# Altium PCB OneBox.PcbDoc (part 10 of 13) (continued)
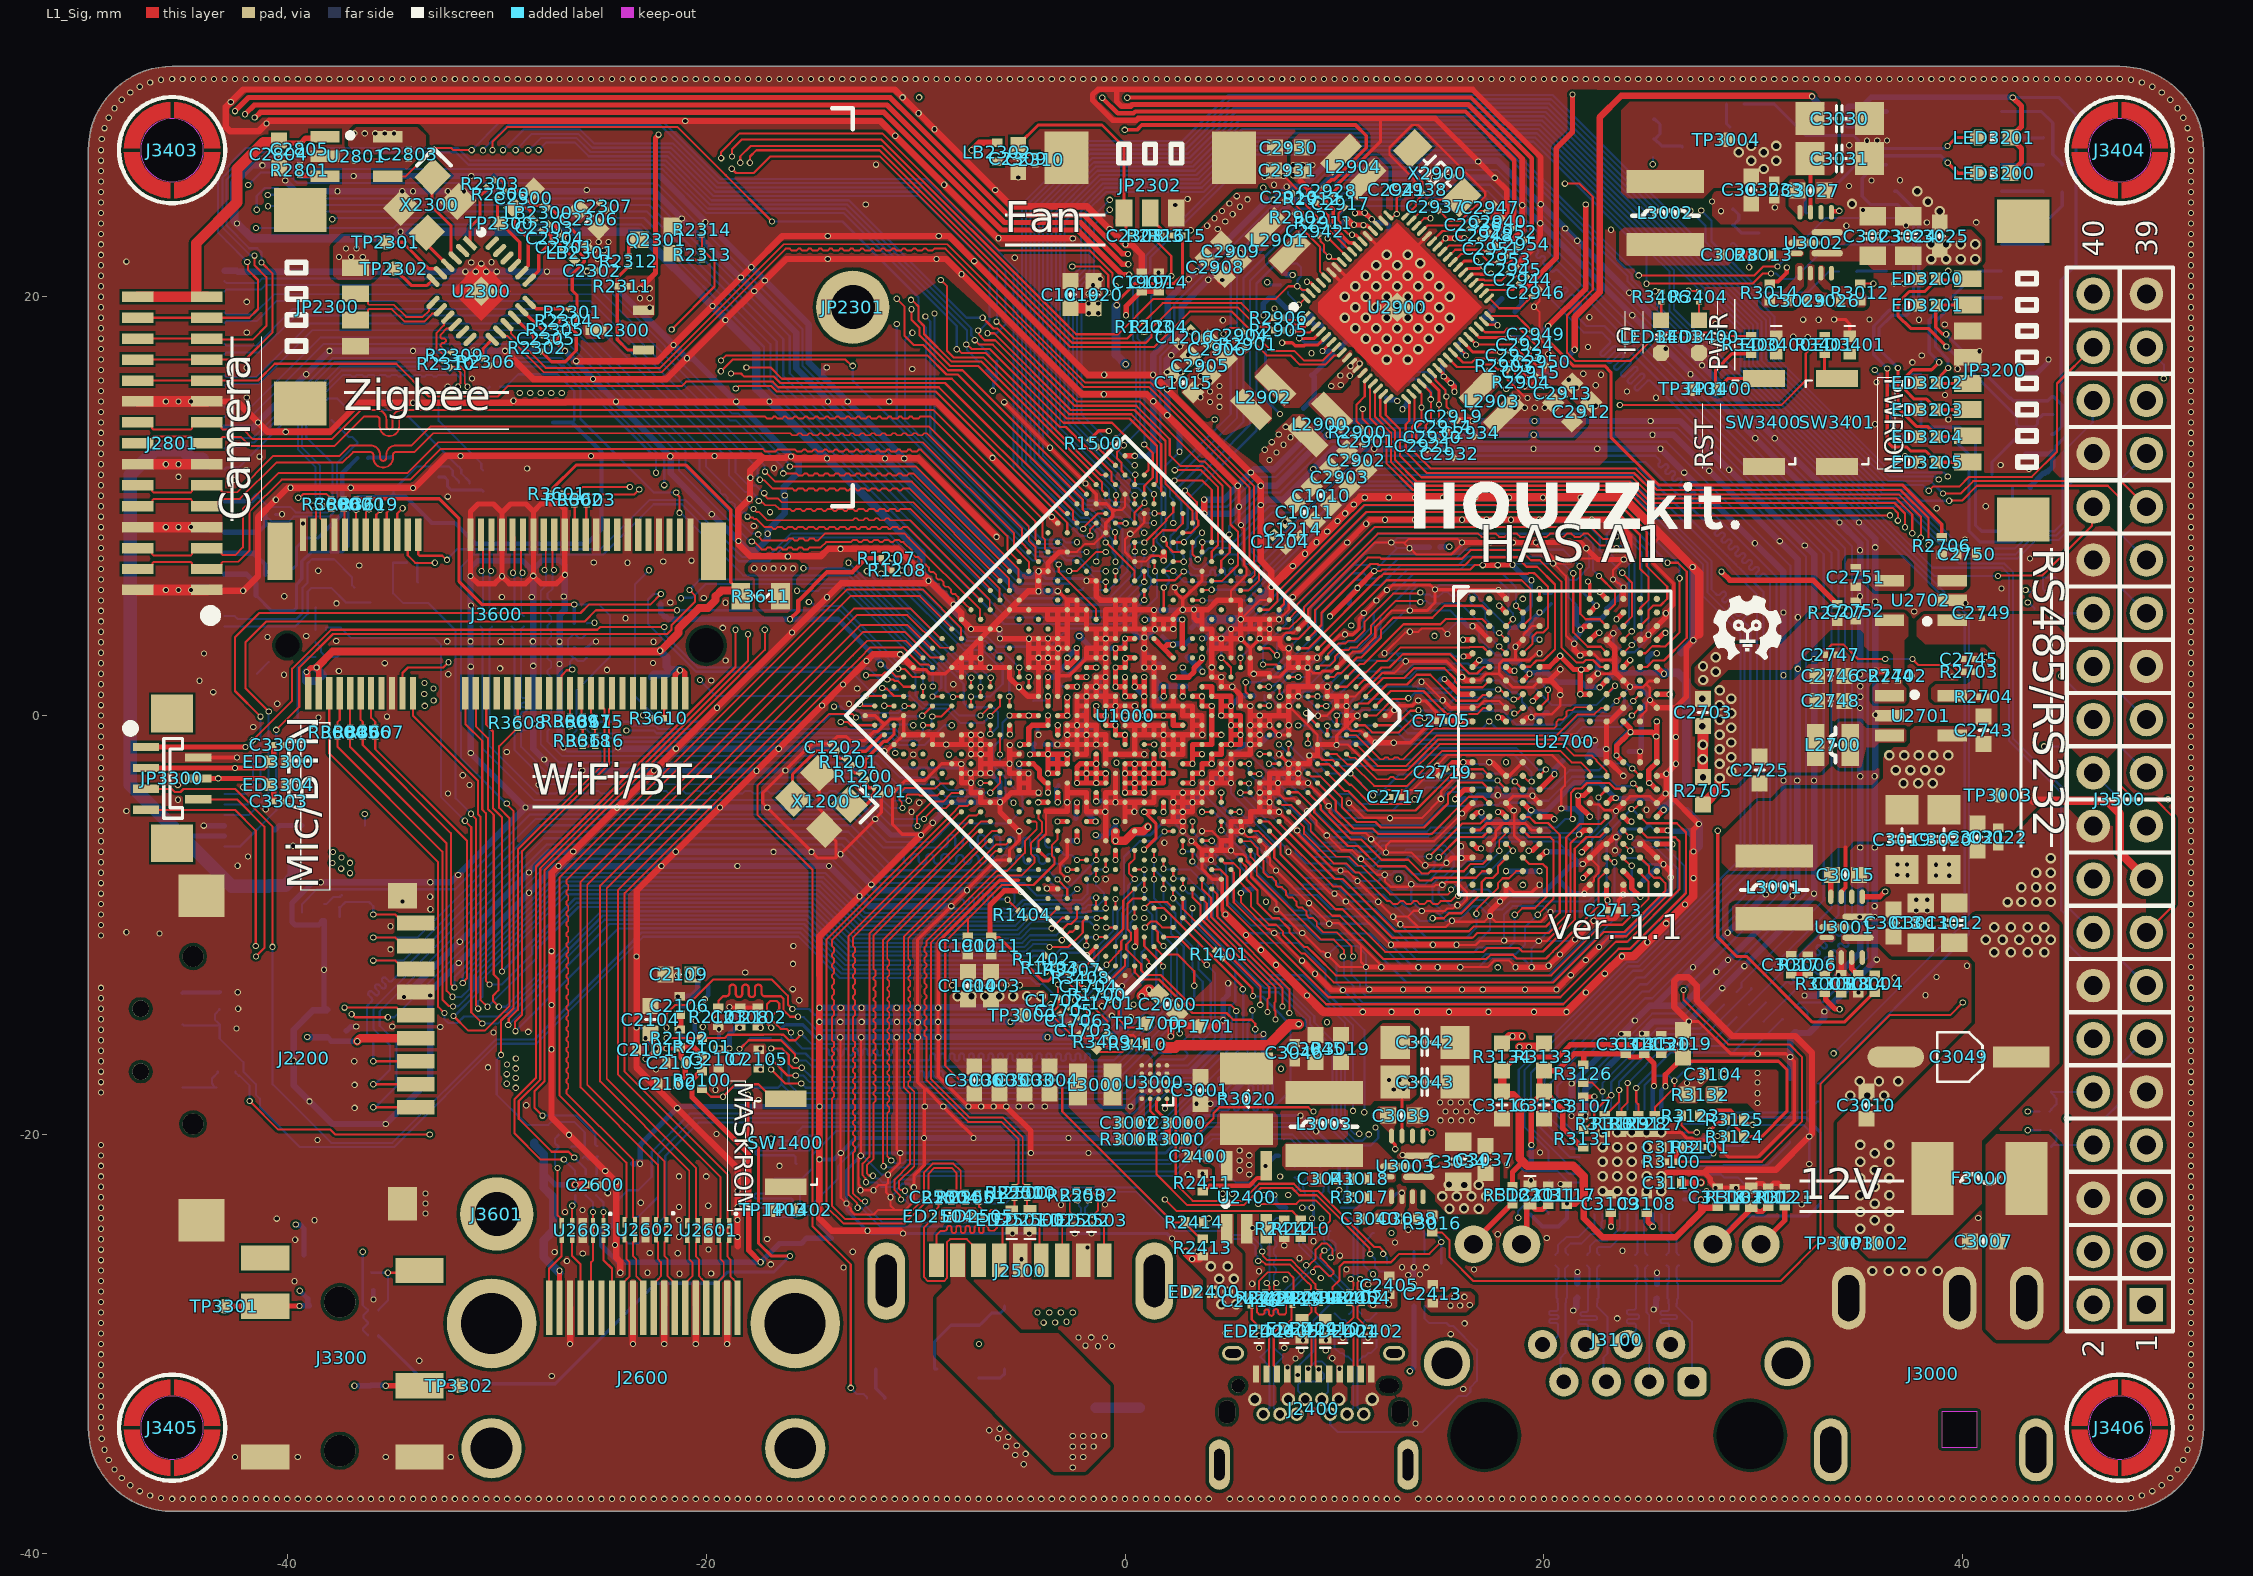
[diagram p0: L1_Sig view]
## Nets (pads, with @x,y where several pads share a name; then routed paths per layer and width w, separated by ;. In a path a pad name is that pad's centre, name@x,y a point inside that pad or via, vN(x,y) a via of type N, cw(c..) or ccw(c..) an arc to the next point about the centre after c; other vN are vias at no path point) (continued)
  L6_Sig w0.104: v1(-40.934,24.863) -40.929,24.868 -40.568,24.868 -40.079,24.379 -22.714,24.379 -16.321,17.986 -16.321,16.221 -5.394,5.294 -1.142,5.294 -0.642,5.294 0.786,6.723 0.786,7.394 0.919,7.527 v1(0.919,7.814)
SDMMC2_D3_M0: J3600.19 U1000.AB1 | length 74
  L1_Sig w0.104: J3600.19@-34.75,8.625 -34.75,9.65 v1(-34.496,9.904) ; v1(1.365,7.964) 1.365,8.419 1.798,8.852 2.426,8.852 2.758,9.183 U1000.AB1@2.758,9.652
  L4_Sig w0.33: v1(-37.851,23.7) -37.31,23.7 -37.145,23.7 ccw(c-37.145,24.03) -36.814,24.03 -36.814,25.029 cw(c-36.522,25.029) -36.23,25.029 -36.23,24.03 ccw(c-35.9,24.03) -35.9,23.7 -35.348,23.7 -35.224,23.576 -35.056,23.408 -35.056,21.456 -34.495,20.895 v1(-34.496,9.904)
  L6_Sig w0.104: v1(-37.851,23.7) -37.814,23.737 -37.719,23.737 -37.693,23.764 -22.968,23.764 -16.936,17.732 -16.936,15.967 -5.649,4.68 -0.387,4.68 0.833,5.9 0.901,5.9 1.249,6.248 1.249,6.55 1.094,6.705 1.094,7.266 1.365,7.538 v1(1.365,7.964)
SGND: J3000.4 J3000.5 R3002.2
SOC_PCM_CLK: R3604.2 U1000.F25 | length 50.8
  L1_Sig w0.102: R3604.2@-37.6,-1.05 -37.6,-1.5 -32.597,-6.503 -32.597,-13.557 -32.289,-13.865 -32.104,-13.865 v1(-32.084,-13.884) ; v1(-0.919,-9.192) U1000.F25@-0.919,-8.733
  L6_Sig w0.102: v1(-32.084,-13.884) -32.08,-13.88 -31.847,-13.88 -31.092,-13.125 -31.092,-12.418 -26.797,-8.123 -14.575,-8.123 -12.661,-10.037 -5.24,-10.037 -4.615,-9.412 -1.838,-9.412 -1.747,-9.322 -1.175,-9.322 -1.169,-9.327 -1.078,-9.327 -0.943,-9.192 v1(-0.919,-9.192)
SOC_PCM_IN: R3607.2 U1000.F26 | length 47.8
  L1_Sig w0.102: R3607.2@-35.8,-1.05 -35.8,-1.6 -31.422,-5.978 -31.422,-12.54 -31.626,-12.743 v1(-31.626,-12.765) ; v1(-1.381,-8.699) -1.38,-8.7 U1000.F26@-1.379,-9.192 U1000.F26@-1.379,-9.192
  L6_Sig w0.102: v1(-31.626,-12.765) -31.626,-12.377 -26.965,-7.717 -14.407,-7.717 -12.493,-9.63 -5.412,-9.63 -4.787,-9.006 -2.006,-9.006 -1.699,-8.699 v1(-1.381,-8.699)
SOC_PCM_OUT: R3606.2 U1000.H23 | length 49.9
  L1_Sig w0.102: R3606.2@-36.4,-1.05 -36.4,-1.4 -32.19,-5.61 -32.19,-12.813 v1(-32.024,-12.979) ; v1(-0.919,-7.354) U1000.H23@-0.919,-6.894
  L6_Sig w0.102: v1(-32.024,-12.979) -32.016,-12.971 -32.016,-12.48 -27.049,-7.513 -14.323,-7.513 -12.41,-9.426 -8.435,-9.426 -8.434,-9.427 -8.161,-9.427 -8.16,-9.426 -5.495,-9.426 -4.871,-8.803 -2.09,-8.803 -1.8,-8.513 -1.8,-7.768 -1.386,-7.354 v1(-0.919,-7.354)
SOC_PCM_SYNC: R3605.2 U1000.H24 | length 51
  L1_Sig w0.102: R3605.2@-37,-1.05 -37,-1.5 -32.394,-6.106 -32.394,-13.144 v1(-32.11,-13.428) ; v1(-1.379,-7.814) U1000.H24@-1.379,-7.354
  L6_Sig w0.102: v1(-32.11,-13.428) -31.683,-13.428 -31.295,-13.04 -31.295,-12.334 -26.881,-7.92 -14.491,-7.92 -12.577,-9.834 -5.327,-9.834 -5.283,-9.789 -5.28,-9.789 -4.7,-9.209 -1.922,-9.209 -1.75,-9.038 -1.253,-9.038 -0.992,-8.777 -0.992,-8.487 -1.379,-8.101 v1(-1.379,-7.814)
SPKN: C2949.1 U2900.34 | length 2.3
  L1_Sig w0.102: U2900.34@17.384,19.076 18.724,19.076 19.1,18.7 C2949.1@19.423,18.377
SPKP: C2950.1 U2900.32 | length 3.9
  L1_Sig w0.102: U2900.32@16.889,18.581 16.91,18.581 17.185,18.306 18.081,18.306 18.257,18.482 18.818,18.482 19.741,17.559 19.741,17.094 C2950.1@19.723,17.077
SSRXCOM_N: C2408.1 U2401.4 | length 0.9
  L6_Sig w0.091: C2408.1@9.3,-22.05 9.325,-22.05 9.404,-22.129 9.404,-22.154 9.499,-22.249 9.499,-22.537 9.479,-22.557 9.479,-22.716 U2401.4@9.4,-22.795
SSRXCOM_P: C2409.1 U2401.5 | length 0.9
  L6_Sig w0.091: U2401.5@9.8,-22.795 9.721,-22.716 9.721,-22.553 9.704,-22.537 9.704,-22.246 9.796,-22.154 9.796,-22.129 9.875,-22.05 C2409.1@9.9,-22.05
SSTXCOM_N: C2406.1 U2401.1 | length 0.9
  L6_Sig w0.091: C2406.1@8.1,-22.05 8.125,-22.05 8.204,-22.129 8.204,-22.154 8.297,-22.247 8.297,-22.573 8.2,-22.67 U2401.1@8.2,-22.795
SSTXCOM_P: C2407.1 U2401.2 | length 0.9
  L6_Sig w0.091: U2401.2@8.6,-22.795 8.521,-22.716 8.521,-22.555 8.503,-22.537 8.503,-22.247 8.596,-22.154 8.596,-22.129 8.675,-22.05 C2407.1@8.7,-22.05
SW1: L2900.2 U2900.12
SW2: L2902.2 U2900.9
SW4: L2901.2 U2900.65
SW5: L2904.1 U2900.53
TP_INT_L_GPIO0_C2: JP2802.4 U1000.AG23 | length 44.6
  L1_Sig w0.102: v1(-40.891,0.196) -42,1.304 -42,3.5 -41.006,4.494 -25.806,4.494 -25.266,5.034 v1(-21.397,5.034) ; v1(-10.835,2.238) -10.827,2.23 -10.53,2.23 -10.138,1.838 U1000.AG23@-9.652,1.838
  L6_Sig w0.102: JP2802.4@-43.003,-4.75 -41.85,-4.75 -40.9,-3.8 -40.9,0.187 v1(-40.891,0.196) ; v1(-21.397,5.034) -13.63,5.034 v1(-10.835,2.238)
TP_RST_L_GPIO0_C3: JP2802.1 U1000.AE23 | length 47.3
  L1_Sig w0.102: v1(-40.531,-0.682) -39.429,0.421 -39.429,2.283 -37.816,3.897 -25.112,3.897 -25.109,3.9 -21.851,3.9 -21.662,4.09 -21.662,4.302 -20.542,5.421 -20.542,5.742 v1(-20.8,6) ; v1(-9.195,0.91) -9.19,0.915 -8.737,0.915 U1000.AE23@-8.733,0.919
  L6_Sig w0.102: JP2802.1@-43.003,-6.25 -42.26,-6.25 -40.531,-4.522 v1(-40.531,-0.682) ; v1(-20.8,6) -20.305,6.495 -13.257,6.495 -8.778,2.016 -8.778,1.327 v1(-9.195,0.91)
TSADC_SHUT_M0: R1202.1 U1000.AG26 | length 0.5
  L1_Sig w0.102: v1(-11.498,0.469) -11.493,0.464 -11.036,0.464 U1000.AG26@-11.031,0.46
TX_2: R3201.2 U3200.10 | length 1.4
  L6_Sig w0.152: R3201.2@34.925,21.2 34.95,21.225 U3200.10@36.348,21.225
TYPEC0_CC0_INT_L: R2416.2 U1000.AD23 U2402.5 | length 81.2
  L1_Sig w0.102: v1(-9.203,-0.046) -8.779,-0.046 U1000.AD23@-8.273,0.46
  L4_Sig w0.102: v1(-23.812,-0.709) -24.609,-0.709 -24.933,-1.033 -24.933,-7.545 -25.9,-8.513 -25.9,-17.287 -22.047,-21.14 -18.86,-21.14 -15.745,-24.255 -10.38,-24.255 -9.032,-22.906 -4.568,-22.906 -3.268,-24.206 2.406,-24.206 3,-24.8 5.1,-24.8 5.767,-24.133 6.333,-24.133 6.7,-24.5 7.913,-24.5 8.161,-24.748 9.748,-24.748 10.699,-25.699 10.863,-25.699 v1(11.835,-26.671)
  L6_Sig w0.102: v1(-23.812,-0.709) -22.491,-0.709 -22.359,-0.841 -11.049,-0.841 -10.693,-1.197 -9.821,-1.197 -9.236,-0.611 -9.236,-0.079 v1(-9.203,-0.046) ; v1@11.83,-26.676 11.83,-26.695 12.087,-26.952 12.102,-26.952 12.3,-27.15 U2402.5@12.5,-27.15 ; v1(11.835,-26.671) 11.38,-26.216 11.38,-25.195 11.726,-24.849 11.726,-24.799 11.825,-24.7 R2416.2@11.875,-24.7
TYPEC0_CC1: C2410.2 J2400.A5 U2402.10 U2402.11 | length 14.5
  L1_Sig w0.102: v1(9.9,-28) 9.9,-27.3 10.237,-26.963 10.237,-26.315 10.452,-26.1 12.7,-26.1 13.1,-25.7 14.525,-25.7 v1(15.095,-25.13)
  L6_Sig w0.102: v1@8.248,-31.479 8.248,-31.089 9,-30.338 9,-28.9 v1(9.9,-28) ; U2402.10@14.3,-25.6 C2410.2@14.3,-24.7 ; U2402.11@15.1,-26.15 v1@15.1,-25.13 ; v1@15.123,-25.102 15.056,-25.036 15.056,-24.968 14.887,-24.799 14.399,-24.799 C2410.2@14.3,-24.7 ; C2410.2@14.3,-24.7 14.25,-24.65 C2410.2@14.25,-24.6 14.3,-24.65 C2410.2@14.3,-24.7
  other v1: 8.248,-31.488
TYPEC0_CC2: C2411.2 J2400.B5 U2402.1 U2402.14 | length 15.2
  L6_Sig w0.091: U2402.14@15.1,-27.65 15.1,-27.9 14.8,-28.2 U2402.1@14.3,-28.2 14.3,-28.8 14.5,-29 C2411.2@15.35,-29
  L6_Sig w0.102: J2400.B5@9.8,-33.35 9.8,-33.855 10.145,-34.2 14.2,-34.2 15.912,-32.488 16.286,-32.488 16.481,-32.293 16.481,-32.086 16.8,-31.767 16.8,-30.276 15.668,-29.144 15.494,-29.144 C2411.2@15.35,-29
TYPEC0_M: ED2410.1 J2400.A7 J2400.B7 L2404.1 R2408.2 | length 6.3
  L1_Sig w0.091: v1(9.25,-31.21) 9.25,-31.19 9.093,-31.033 9.093,-29.226 ED2410.1@9.468,-28.851 ; L2404.1@9.3,-28.05 9.103,-28.247 9.103,-28.478 ED2410.1@9.475,-28.85
  L6_Sig w0.091: J2400.B7@8.6,-32.575 8.251,-32.226 8.251,-31.956 8.407,-31.8 9.34,-31.8 9.497,-31.644 9.497,-31.433 9.273,-31.21 v1(9.25,-31.21)
TYPEC0_P: ED2409.1 J2400.A6 J2400.B6 L2404.2 R2409.2 | length 6.4
  L1_Sig w0.091: L2404.2@8.7,-28.05 8.897,-28.247 8.897,-28.478 8.525,-28.85 8.9,-29.225 8.9,-31.032 8.854,-31.078 8.854,-31.086 8.755,-31.185 v1(8.749,-31.185) ; J2400.A6@8.749,-31.439 J2400.A6@8.75,-31.44
  L3_Pow w0.102: J2400.B6@9.371,-32.65 J2400.B6@9.4,-32.65
  L6_Sig w0.091: v1(8.749,-31.185) 9.099,-30.835 9.395,-30.835 9.7,-31.14 9.7,-32.275 J2400.B6@9.4,-32.575
TYPEC0_RX1_N: ED2404.1 J2400.B10 L2403.3 R2407.1 | length 4.9
  L6_Sig w0.091: L2403.3@7.3,-29.05 7.201,-29.149 7.176,-29.149 7.103,-29.222 7.103,-30.178 7.55,-30.625 7.1,-31.075 7.1,-33.05 J2400.B10@7.4,-33.35
TYPEC0_RX1_P: ED2403.1 J2400.B11 L2403.4 R2406.1 | length 4.9
  L6_Sig w0.091: ED2403.1@6.45,-30.625 6.897,-31.072 6.897,-33.053 J2400.B11@6.6,-33.35 ; ED2403.1@6.473,-30.602 6.9,-30.175 6.9,-29.225 6.725,-29.05 L2403.4@6.7,-29.05
TYPEC0_RX2_N: ED2401.1 J2400.A10 L2402.3 R2405.1 | length 4
  L1_Sig w0.091: ED2401.1@10.4,-29.19 ED2401.1@10.45,-29.19 ; L2402.3@10.7,-28.05 10.725,-28.05 10.9,-28.225 10.9,-28.74 ED2401.1@10.45,-29.19 ; J2400.A10@10.75,-31.44 10.75,-31.19 10.9,-31.04 10.9,-29.623 10.531,-29.254 10.514,-29.254 ED2401.1@10.45,-29.19
TYPEC0_RX2_P: ED2402.1 J2400.A11 L2402.4 R2404.1 | length 4
  L1_Sig w0.091: 11.093,-31.047 11.093,-29.63 ED2402.1@11.462,-29.261 ; 11.1,-31.04 11.25,-31.19 J2400.A11@11.25,-31.44 ; L2402.4@11.3,-28.05 11.196,-28.154 11.171,-28.154 11.093,-28.232 11.093,-28.747 ED2402.1@11.543,-29.197 ; ED2402.1@11.479,-29.261 ED2402.1@11.543,-29.197 ; ED2402.1@11.593,-29.197 ED2402.1@11.543,-29.197
TYPEC0_TX1_N: C2415.1 L2401.2 R2403.2 | length 4.1
  L1_Sig w0.091: L2401.2@6.7,-28.05 6.675,-28.05 6.392,-27.767 6.392,-27.005 6.816,-26.581 7.785,-26.581 7.989,-26.784 7.989,-26.789 8.038,-26.838 8.038,-27.612 C2415.1@8,-27.65 ; C2415.1@7.896,-27.571 C2415.1@7.975,-27.65
TYPEC0_TX1_P: C2416.1 L2401.1 R2402.2 | length 4.1
  L1_Sig w0.091: C2416.1@6,-27.687 6.025,-27.687 6.099,-27.761 6.099,-27.786 6.302,-27.989 6.302,-28.495 6.407,-28.6 6.447,-28.6 6.546,-28.6 ccw(c6.546,-28.491) 6.656,-28.49 6.655,-28.459 cw(c6.765,-28.458) 6.763,-28.348 cw(c6.765,-28.458) 6.874,-28.457 6.875,-28.55 ccw(c6.984,-28.549) 6.985,-28.658 ccw(c6.984,-28.549) 7.093,-28.548 7.092,-28.449 cw(c7.201,-28.447) 7.2,-28.338 cw(c7.201,-28.447) 7.311,-28.446 7.311,-28.492 ccw(c7.42,-28.491) 7.42,-28.6 7.617,-28.6 7.683,-28.535 7.698,-28.52 7.698,-28.063 7.638,-28.004 7.346,-28.004 L2401.1@7.3,-28.05
TYPEC0_TX2_N: C2417.1 L2400.1 R2400.2 | length 0.9
  L6_Sig w0.091: C2417.1@10,-28.55 10.025,-28.55 10.322,-28.847 10.497,-28.847 L2400.1@10.7,-29.05
TYPEC0_TX2_P: C2418.1 L2400.2 R2401.2 | length 0.9
  L6_Sig w0.091: L2400.2@11.3,-29.05 11.503,-28.847 11.678,-28.847 11.975,-28.55 C2418.1@12,-28.55
TYPEC0RX1_N: L2403.1 R2407.2 U2401.11 | length 7.4
  L1_Sig w0.091: v1(8.976,-26.57) 9.015,-26.532 9.015,-26.385 9.1,-26.3 9.271,-26.3 9.728,-26.757 9.829,-26.757 9.945,-26.641 9.945,-26.51 9.333,-25.898 9.333,-25.722 v1(9.518,-25.537)
  L6_Sig w0.091: L2403.1@7.3,-28.55 7.1,-28.35 7.1,-27.991 7.345,-27.745 7.623,-27.745 8.213,-27.156 8.774,-26.594 8.952,-26.594 v1(8.976,-26.57) ; U2401.11@9.4,-24.605 9.479,-24.684 9.479,-24.845 9.497,-24.863 9.497,-25.077 9.676,-25.256 9.79,-25.256 9.843,-25.31 9.843,-25.386 9.716,-25.512 9.542,-25.512 v1(9.518,-25.537)
TYPEC0RX1_P: L2403.2 R2406.2 U2401.10 | length 7.4
  L1_Sig w0.091: v1(8.653,-26.247) 8.694,-26.206 8.826,-26.206 9.1,-25.932 9.1,-25.495 9.388,-25.207 9.65,-25.207 9.9,-25.457 9.9,-25.737 9.82,-25.817 v1(9.82,-25.874)
  L6_Sig w0.091: L2403.2@6.7,-28.55 6.894,-28.356 6.894,-27.906 7.26,-27.54 7.538,-27.54 8.128,-26.95 8.629,-26.449 8.629,-26.271 v1(8.653,-26.247) ; U2401.10@9.8,-24.605 9.721,-24.684 9.721,-24.845 9.703,-24.863 9.703,-24.992 9.761,-25.051 9.875,-25.051 10.049,-25.225 10.049,-25.471 9.845,-25.675 9.845,-25.849 v1(9.82,-25.874)
TYPEC0RX2_N: L2402.1 R2405.2 U2401.9 | length 4.1
  L1_Sig w0.091: L2402.1@10.7,-27.55 10.779,-27.471 10.844,-27.471 10.897,-27.417 10.897,-27.236 10.899,-27.234 10.899,-27.058 10.773,-26.932 v1(10.773,-26.9)
  L6_Sig w0.091: U2401.9@10.305,-24.3 10.384,-24.221 10.545,-24.221 10.563,-24.203 10.7,-24.203 10.9,-24.403 10.9,-26.741 10.773,-26.868 v1(10.773,-26.9)
TYPEC0RX2_P: L2402.2 R2404.2 U2401.8 | length 4.4
  L1_Sig w0.091: v1(11.23,-26.9) 11.23,-26.932 11.104,-27.058 11.104,-27.32 11.103,-27.321 11.103,-27.417 11.157,-27.471 11.221,-27.471 L2402.2@11.3,-27.55
  L6_Sig w0.091: U2401.8@10.305,-23.9 10.384,-23.979 10.545,-23.979 10.563,-23.997 10.785,-23.997 11.106,-24.318 11.106,-26.742 11.23,-26.867 v1(11.23,-26.9)
TYPEC0TX1_N: L2401.4 R2403.1 U2401.16 | length 4.4
  L1_Sig w0.091: L2401.4@6.7,-27.55 6.725,-27.55 6.804,-27.471 6.84,-27.471 6.894,-27.417 6.894,-27.249 6.768,-27.124 v1(6.768,-27.089)
  L6_Sig w0.091: v1(6.768,-27.089) 6.768,-27.055 6.894,-26.929 6.894,-26.446 ; 6.894,-26.445 6.894,-24.325 7.223,-23.997 7.437,-23.997 7.455,-23.979 7.616,-23.979 U2401.16@7.695,-23.9
TYPEC0TX1_P: L2401.3 R2402.1 U2401.15 | length 4.4
  L1_Sig w0.091: v1(7.225,-27.089) 7.225,-27.124 7.099,-27.249 7.099,-27.389 7.156,-27.446 7.196,-27.446 L2401.3@7.3,-27.55
  L6_Sig w0.091: v1(7.225,-27.089) 7.225,-27.055 7.099,-26.929 7.099,-26.701 7.215,-26.585 7.215,-26.415 7.1,-26.3 7.1,-26.1 7.207,-25.993 7.207,-25.807 7.1,-25.7 7.1,-25.458 7.237,-25.322 7.237,-25.137 7.1,-25 7.1,-24.411 7.308,-24.203 7.437,-24.203 7.455,-24.221 7.616,-24.221 U2401.15@7.695,-24.3
TYPEC0TX1N: C2415.2 ED2405.1 J2400.A3 | length 3.8
  L1_Sig w0.102: J2400.A3@7.25,-31.44 7.25,-31.19 7.1,-31.04 7.1,-29.471 7.368,-29.203 ED2405.1@7.549,-29.203 ; ED2405.1@7.6,-29.19 7.952,-28.838 7.952,-28.198 C2415.2@8,-28.15
TYPEC0TX1P: C2416.2 ED2406.1 J2400.A2 | length 3.8
  L1_Sig w0.102: C2416.2@6.048,-28.198 6.048,-28.838 ED2406.1@6.4,-29.19 ; ED2406.1@6.35,-29.19 ED2406.1@6.4,-29.19 ; J2400.A2@6.75,-31.44 6.75,-31.19 6.875,-31.065 6.875,-29.484 6.632,-29.241 6.451,-29.241 ED2406.1@6.4,-29.19
TYPEC0TX2_N: L2400.3 R2400.1 U2401.14 | length 5.2
  L6_Sig w0.091: U2401.14@8.2,-24.605 8.279,-24.684 8.279,-24.845 8.297,-24.863 8.297,-25.288 10.755,-27.745 10.9,-27.891 10.9,-28.374 L2400.3@10.697,-28.577
TYPEC0TX2_P: L2400.4 R2401.1 U2401.13 | length 5.2
  L6_Sig w0.091: U2401.13@8.6,-24.605 8.521,-24.684 8.521,-24.845 8.503,-24.863 8.503,-25.203 10.84,-27.54 11.106,-27.806 11.106,-28.386 L2400.4@11.297,-28.577
TYPEC0TX2N: C2417.2 ED2408.1 J2400.B3 | length 4.9
  L6_Sig w0.091: C2417.2@10,-29.05 10,-30.179 10.268,-30.447 10.387,-30.447 10.55,-30.61 ED2408.1@10.6,-30.61 10.65,-30.61 10.897,-30.857 10.897,-33.053 J2400.B3@10.6,-33.35
TYPEC0TX2P: C2418.2 ED2407.1 J2400.B2 | length 4.9
  L6_Sig w0.091: J2400.B2@11.4,-33.35 11.1,-33.05 11.1,-30.854 11.347,-30.607 11.397,-30.607 11.447,-30.607 11.609,-30.444 11.729,-30.444 11.997,-30.176 C2418.2@11.997,-29.047
TYPEC_5V_EN: D2400.2 R2411.1 U2400.4 | length 4.6
  L1_Sig w0.203: R2411.1@3.7,-22.725 3.75,-22.725 3.848,-22.627 3.848,-22.619 4.022,-22.446 5.935,-22.446 6.308,-22.073 6.577,-22.073 6.75,-21.899 U2400.4@6.75,-21.5
  L6_Sig w0.203: v1(6.7,-21.5) 7.186,-21.014 D2400.2@7.339,-21.014
UART1_CTS_M0: J3600.34 U1000.F27 | length 47.5
  L1_Sig w0.102: J3600.34@-31,1.075 -31,-0.5 -30.425,-1.075 -30.425,-4.463 -30.172,-4.715 -30.143,-4.744 -30.143,-12.36 -29.923,-12.58 -29.923,-13.116 -30.172,-13.365 -30.172,-13.628 v1(-29.9,-13.9) ; v1(-3.603,-11.052) -2.712,-11.052 -2.021,-10.361 -2.021,-9.834 U1000.F27@-1.838,-9.652
  L6_Sig w0.102: v1(-29.9,-13.9) -29.57,-13.9 -25.012,-9.342 -15.08,-9.342 -13.167,-11.256 -4.734,-11.256 -4.387,-10.909 -3.761,-10.909 -3.619,-11.052 v1(-3.603,-11.052)
UART1_RTS_M0: J3600.36 U1000.G28 | length 43.2
  L1_Sig w0.102: J3600.36@-30.5,1.075 -30.5,-0.433 -30.177,-0.757 -30.177,-4.423 -29.75,-4.85 v1(-29.75,-12.218) ; v1(-3.5,-10.16) -2.991,-9.652 U1000.G28@-2.758,-9.652
  L6_Sig w0.102: v1(-29.75,-12.218) -26.265,-8.733 -14.828,-8.733 -12.914,-10.646 -4.987,-10.646 -4.501,-10.16 v1(-3.5,-10.16)
UART1_RX_M0: J3600.22 U1000.F28 | length 48
  L1_Sig w0.102: J3600.22@-34,1.075 -34,0 -30.895,-3.105 -30.895,-4.717 -30.784,-4.829 -30.784,-13.561 v1(-30.443,-13.902) ; v1(-3.018,-10.722) -3.018,-10.699 -2.638,-10.319 -2.505,-10.319 U1000.F28@-2.298,-10.112
  L6_Sig w0.102: v1(-30.443,-13.902) -30.424,-13.902 -28.1,-11.578 -28.1,-11.143 -26.096,-9.139 -14.996,-9.139 -13.082,-11.053 -4.818,-11.053 -4.471,-10.706 -3.034,-10.706 v1(-3.018,-10.722)
UART1_TX_M0: J3600.32 U1000.G27 | length 46
  L1_Sig w0.102: J3600.32@-31.5,1.075 -31.5,-0.4 -30.692,-1.208 -30.692,-4.483 -30.52,-4.655 -30.52,-12.663 v1(-30.347,-12.837) ; v1(-3.055,-10.263) -2.744,-9.953 -2.57,-9.953 -2.298,-9.681 U1000.G27@-2.298,-9.192
  L6_Sig w0.102: v1(-30.347,-12.837) -29.758,-12.837 -28.303,-11.382 -28.303,-11.059 -26.18,-8.936 -14.912,-8.936 -12.998,-10.85 -4.903,-10.85 -4.544,-10.49 -3.282,-10.49 v1(-3.055,-10.263)
UART2_RX_M0_DEBUG: R3202.1 R3502.1 U1000.AC20 | length 132.1
  L1_Sig w0.102: U1000.AC20@-6.435,1.379 -6.425,1.389 -6.425,1.797 v1(-6.415,1.807)
  L4_Sig w0.102: v1(-11.641,6.789) -11.641,7.475 -11.9,7.734 -11.9,14.1 -11.9,15.325 -10.491,16.735 -6.116,21.11 -5.458,21.11 -3.439,23.128 -3.439,23.999 -1.87,25.568 1.142,25.568 3.611,28.037 17.6,28.037 18.455,27.182 25.393,27.182 26.3,26.275 26.3,24.8 v1(27,24.1) 27.59,23.51 31.453,23.51 34.869,20.094 39.356,20.094 43.678,15.772 43.678,1.574 44.205,1.047 44.205,-5.333 39.289,-10.249 39.289,-15.089 v1(43.1,-18.9)
  L6_Sig w0.102: v1(-11.641,6.789) -11.641,6.496 -7.749,2.603 -7.255,2.603 -6.459,1.807 v1(-6.415,1.807) ; v1(27,24.1) 27.716,23.384 27.716,22.633 30.348,20 R3202.1@34.075,20 ; v1(43.1,-18.9) R3502.1@43.65,-18.9
UART2_TX_M0_DEBUG: R3201.1 R3501.1 U1000.AH24 | length 132.6
  L1_Sig w0.102: v1(-12.374,1.926) -11.614,1.926 -11.489,2.051 -11.115,2.051 -10.923,1.859 U1000.AH24@-10.584,1.859 ; U1000.AH24@-10.584,1.851 U1000.AH24@-10.571,1.838
  L4_Sig w0.102: v1(-12.374,1.926) -12.7,2.253 -12.7,7.2 -12.5,7.4 -12.103,7.797 -12.103,15.442 -8.566,18.979 -8.566,19.159 -1.954,25.771 1.058,25.771 3.527,28.24 17.684,28.24 18.539,27.385 25.477,27.385 26.503,26.359 26.503,25.128 v1(27.516,24.116) 27.918,23.713 31.537,23.713 34.953,20.297 39.44,20.297 43.881,15.856 43.881,1.658 44.408,1.131 44.408,-5.417 39.492,-10.333 39.492,-14.792 43.5,-18.8 43.5,-19.4 v1(43.1,-19.8)
  L6_Sig w0.102: v1(27.516,24.116) 28,23.631 28,22.636 30.433,20.203 32.603,20.203 33.6,21.2 R3201.1@34.075,21.2 ; v1(43.1,-19.8) R3501.1@43.7,-19.8
UART3_RX_M1: U1000.AD2 U3200.12 | length 59.8
  L1_Sig w0.102: U1000.AD2@1.379,10.112 v1(1.379,10.571) ; v1(24.524,21.022) 30.053,21.022 30.472,21.441 v1(31.149,21.441)
  L6_Sig w0.102: v1(1.379,10.571) 0.886,11.064 0.455,11.064 0,11.519 -2.49,14.009 -2.49,20.722 -1.897,21.316 -1.897,24.003 -0.9,25 3.751,25 5.947,27.197 18.349,27.197 v1(24.524,21.022) ; v1(31.149,21.441) 31.149,21.449 33.465,23.765 U3200.12@36.348,23.765 U3200.12@36.935,23.765
UART3_TX_M1: U1000.AD4 U3200.11 | length 61.8
  L1_Sig w0.102: U1000.AD4@0.46,9.192 0.46,9.698 v1(0.926,10.164) ; v1(24.9,20.621) 24.909,20.63 29.969,20.63 30.449,21.11 v1(30.84,21.11)
  L6_Sig w0.102: v1(0.926,10.164) 0.926,10.574 0.639,10.861 0.371,10.861 -2.694,13.925 -2.694,20.806 -2.1,21.4 -2.1,24.087 -0.984,25.203 3.666,25.203 5.863,27.4 19.5,27.4 24.9,22 v1(24.9,20.621) ; v1(30.84,21.11) 31.096,21.11 31.354,20.853 31.955,20.853 33.597,22.495 U3200.11@36.348,22.495 U3200.11@36.74,22.495
UART4_RX_M1: U1000.AG1 U3201.1 | length 61.6
  L1_Sig w0.102: v1(0.46,11.95) 0.466,11.956 U1000.AG1@0.511,11.956
  L4_Sig w0.102: v1(-0.732,24.155) -0.46,24.427 1.437,24.427 4.007,26.997 17.203,26.997 18.034,26.166 22.66,26.166 23.697,25.128 23.697,21.037 25.037,19.697 26.103,19.697 33.4,12.4 v1(37.243,12.4)
  L6_Sig w0.102: v1(-0.732,24.155) -0.745,24.155 -1.49,23.41 -1.49,21.147 -2.084,20.554 -2.084,14.389 0.316,11.988 0.479,11.988 v1@0.504,11.963
UART4_TX_M1: R3204.1 U1000.AF2 U3201.4 | length 62.7
  L1_Sig w0.102: U1000.AF2@0.46,11.031 0.474,11.045 0.474,11.485 v1(0.488,11.499)
  L4_Sig w0.102: v1(-0.732,24.626) -0.7,24.626 -0.571,24.755 1.478,24.755 3.923,27.2 17.287,27.2 18.119,26.369 22.744,26.369 23.9,25.213 23.9,21.121 25.121,19.9 26.187,19.9 29.587,16.5 v1(35.8,16.5)
  L6_Sig w0.102: v1(-0.732,24.626) -1.694,23.664 -1.694,21.232 -2.287,20.638 -2.287,14.169 0.325,11.556 0.376,11.556 0.434,11.499 v1(0.488,11.499) ; v1(35.8,16.5) 35.8,16.475 36.55,15.725 R3204.1@36.6,15.725 37.002,15.725 37.582,16.305 U3201.4@38,16.305
  L6_Sig w0.152: R3204.1@36.6,15.725 R3204.1@36.612,15.713
USB2_DP/DM_N: R2310.2 U2300.9 | length 2.4
  L1_Sig w0.091: R2310.2@-32.577,16.977 -32.559,16.994 -32.559,17.223 -32.887,17.55 -32.887,18.266 -32.522,18.631 -32.522,18.839 U2300.9@-32.337,19.023
USB2_DP/DM_P: R2309.2 U2300.10 | length 2.4
  L1_Sig w0.091: R2309.2@-32.177,17.377 -32.194,17.359 -32.404,17.359 -32.681,17.636 -32.681,17.719 -32.6,17.8 -32.5,17.8 -32.43,17.871 -32.43,17.946 -32.483,18 -32.627,18 -32.681,18.054 -32.681,18.181 -32.376,18.485 -32.168,18.485 U2300.10@-31.984,18.67
USB2_HOST2_DP/DM_N: U1000.R1 U2300.14 | length 49.5
  L1_Sig w0.091: U2300.14@-29.863,18.316 -29.67,18.124 -29.478,18.124 -27.749,16.394 -22.115,16.394 -16.209,22.3 -16,22.3 -15.906,22.206 -15.7,22.206 -15.606,22.3 -15.5,22.3 -15.406,22.206 -15.2,22.206 -15.106,22.3 -15,22.3 -14.906,22.206 -14.7,22.206 -14.606,22.3 -14.5,22.3 -14.406,22.206 -14.2,22.206 -14.106,22.3 -14,22.3 -13.906,22.206 -13.7,22.206 -13.606,22.3 -13.5,22.3 -13.406,22.206 -13.2,22.206 -13.106,22.3 -13,22.3 -12.906,22.206 -12.7,22.206 -12.606,22.3 -12.5,22.3 -12.406,22.206 -12.2,22.206 -12.106,22.3 -12,22.3 -11.906,22.206 -11.7,22.206 -11.606,22.3 -11.5,22.3 -11.406,22.206 -11.2,22.206 -11.106,22.3 -11,22.3 -10.906,22.206 -10.7,22.206 -10.606,22.3 -10.5,22.3 -10.406,22.206 -10.2,22.206 -10.106,22.3 -10,22.3 -9.906,22.206 -9.7,22.206 -9.606,22.3 -9.5,22.3 -9.406,22.206 -9.2,22.206 -9.106,22.3 -8.576,22.3 -1.975,15.699 1.139,15.699 5.951,10.887 5.951,7.209 6.194,6.966 6.194,6.697 6.005,6.508 6.005,6.465 U1000.R1@5.975,6.435
USB2_HOST2_DP/DM_P: U1000.R2 U2300.15 | length 49.6
  L1_Sig w0.091: U2300.15@-29.509,18.67 -29.322,18.483 -29.322,18.259 -27.664,16.6 -22.2,16.6 -16.294,22.506 -8.491,22.506 -1.89,15.905 1.224,15.905 6.157,10.972 6.157,7.295 6.4,7.051 6.4,6.475 5.901,5.975 U1000.R2@5.515,5.975
USB2_M2_DP/DM_N: J3600.5 R2310.1 | length 17.3
  L1_Sig w0.091: v1(-38.323,10.034) -38.323,9.979 -38.427,9.876 -38.427,9.424 -38.374,9.371 -38.371,9.371 -38.25,9.25 J3600.5@-38.25,8.625 ; J3600.5@-38.304,8.292 -38.304,8.521 J3600.5@-38.225,8.6 ; R2310.1@-32.223,16.623 -32.111,16.623 -32.078,16.657 -32.002,16.657 -31.734,16.389 -31.734,15.86 -31.857,15.737 v1(-31.857,15.7)
  L4_Sig w0.109: v1(-31.857,15.7) v1@-31.857,15.739
  L6_Sig w0.091: v1(-38.323,10.034) -38.323,10.068 -38.447,10.191 -38.447,11.947 -39.294,12.794 -39.294,14.306 -37.331,16.269 -36.984,16.269 -36.915,16.2 -36.753,16.2 -36.684,16.269 -36.429,16.269 -36.36,16.2 -36.198,16.2 -36.129,16.269 -35.874,16.269 -35.805,16.2 -35.643,16.2 -35.574,16.269 -35.319,16.269 -35.25,16.2 -35.089,16.2 -35.019,16.269 -34.765,16.269 -34.695,16.2 -34.534,16.2 -34.465,16.269 -34.21,16.269 -34.141,16.2 -33.979,16.2 -33.91,16.269 -33.655,16.269 -33.586,16.2 -33.424,16.2 -33.355,16.269 -33.1,16.269 -33.031,16.2 -32.869,16.2 -32.8,16.269 -31.901,16.269 -31.731,16.1 -31.731,15.86 -31.857,15.735 v1(-31.857,15.7)
USB2_M2_DP/DM_P: J3600.3 R2309.1 | length 17.3
  L1_Sig w0.091: v1(-38.776,10.034) -38.776,10.019 -38.633,9.876 -38.633,9.408 -38.646,9.395 -38.646,8.729 J3600.3@-38.75,8.625 ; R2309.1@-31.823,17.023 -31.823,16.911 -31.856,16.878 -31.856,16.802 -31.687,16.633 -31.589,16.534 -31.529,16.474 -31.529,15.86 -31.417,15.748 v1@-31.417,15.717
  L4_Sig w0.109: v1(-31.4,15.7) v1@-31.4,15.739
  L6_Sig w0.091: v1(-38.776,10.034) -38.776,10.068 -38.653,10.191 -38.653,11.862 -39.5,12.709 -39.5,14.391 -37.416,16.475 -31.815,16.475 -31.526,16.185 -31.526,15.86 -31.4,15.735 v1(-31.4,15.7)
USB3_DP/DM_N: JP2300.2 U2300.7 | length 4.6
  L1_Sig w0.091: JP2300.2@-36.739,20.139 -36.503,20.139 -36.148,19.785 -36.148,19.672 -36.095,19.619 -34.919,19.619 -34.333,19.033 -33.533,19.033 -33.229,19.338 -33.229,19.546 U2300.7@-33.045,19.73
USB3_DP/DM_P: JP2300.3 U2300.8 | length 4.8
  L1_Sig w0.091: JP2300.3@-36.739,18.889 -36.503,18.889 -36.149,19.243 -36.149,19.359 -36.095,19.413 -35.004,19.413 -34.419,18.828 -33.448,18.828 -33.083,19.192 -32.875,19.192 U2300.8@-32.691,19.377
USB3_HOST1_DP/DM_N: L2500.1 R2501.2 U1000.P25 | length 23.8
  L1_Sig w0.091: R2501.2@-5.277,-22.526 -5.09,-22.339 -5.09,-20.21 -5.9,-19.4 -7.491,-19.4 -9.474,-17.417 -9.474,-15.369 -9.569,-15.274 -9.569,-15.069 -9.474,-14.974 -9.474,-14.869 -9.569,-14.774 -9.569,-14.569 -9.474,-14.474 -9.474,-14.369 -9.569,-14.274 -9.569,-14.069 -9.474,-13.974 -9.474,-13.869 -9.569,-13.774 -9.569,-13.569 -9.474,-13.474 -9.474,-13.369 -9.569,-13.274 -9.569,-13.069 -9.474,-12.974 -9.474,-12.869 -9.569,-12.774 -9.569,-12.569 -9.474,-12.474 -9.474,-12.369 -9.569,-12.274 -9.569,-12.069 -9.474,-11.974 -9.474,-11.869 -9.569,-11.774 -9.569,-11.569 -9.474,-11.474 -9.474,-11.369 -9.569,-11.274 -9.569,-11.069 -9.474,-10.974 -9.474,-10.749 -9.351,-10.626 -6.145,-7.421 -5.654,-7.421 -4.784,-6.55 -4.784,-6 -4.217,-5.433 -4.217,-5.121 -4.282,-5.056 U1000.P25@-4.596,-5.056
USB3_HOST1_DP/DM_P: L2500.2 R2500.2 U1000.P24 | length 23.8
  L1_Sig w0.091: R2500.2@-4.677,-22.526 -4.702,-22.526 -4.781,-22.447 -4.781,-22.422 -4.884,-22.318 -4.884,-20.125 -5.815,-19.194 -7.406,-19.194 -9.269,-17.331 -9.269,-10.835 -9.145,-10.711 -6.06,-7.626 -4.943,-7.626 -4.324,-7.007 -4.324,-6.782 -4.5,-6.605 -4.5,-6.097 -3.973,-5.571 -3.973,-5.073 -4.137,-4.91 U1000.P24@-4.137,-4.596
USB3_HOST1_SSRX_N: R2502.1 U1000.U27 | length 34.1
  L1_Sig w0.091: v1(-12.77,-23.495) -12.795,-23.47 -12.795,-23.294 -13.2,-22.888 -13.2,-10.517 -7.449,-4.766 -7.091,-4.766 -6.922,-4.596 U1000.U27@-6.894,-4.596
  L6_Sig w0.091: v1(-12.77,-23.495) -12.745,-23.52 -12.568,-23.52 -11.688,-24.4 -2.5,-24.4 -1.903,-23.803 -1.903,-23.495 -1.78,-23.371 v1(-1.78,-23.137)
USB3_HOST1_SSRX_P: R2503.1 U1000.U28 | length 33.9
  L1_Sig w0.091: v1(-12.421,-23.2) -12.445,-23.175 -12.622,-23.175 -12.994,-22.803 -12.994,-20.894 -12.9,-20.8 -12.9,-20.594 -12.994,-20.5 -12.994,-20.394 -12.9,-20.3 -12.9,-20.094 -12.994,-20 -12.994,-19.894 -12.9,-19.8 -12.9,-19.594 -12.994,-19.5 -12.994,-19.394 -12.9,-19.3 -12.9,-19.094 -12.994,-19 -12.994,-18.894 -12.9,-18.8 -12.9,-18.594 -12.994,-18.5 -12.994,-18.394 -12.9,-18.3 -12.9,-18.094 -12.994,-18 -12.994,-17.894 -12.9,-17.8 -12.9,-17.594 -12.994,-17.5 -12.994,-17.394 -12.9,-17.3 -12.9,-17.094 -12.994,-17 -12.994,-16.894 -12.9,-16.8 -12.9,-16.594 -12.994,-16.5 -12.994,-16.394 -12.9,-16.3 -12.9,-16.094 -12.994,-16 -12.994,-15.894 -12.9,-15.8 -12.9,-15.594 -12.994,-15.5 -12.994,-14.394 -12.9,-14.3 -12.9,-14.094 -12.994,-14 -12.994,-13.894 -12.9,-13.8 -12.9,-13.594 -12.994,-13.5 -12.994,-13.394 -12.9,-13.3 -12.9,-13.094 -12.994,-13 -12.994,-12.894 -12.9,-12.8 -12.9,-12.594 -12.994,-12.5 -12.994,-12.394 -12.9,-12.3 -12.9,-12.094 -12.994,-12 -12.994,-11.894 -12.9,-11.8 -12.9,-11.594 -12.994,-11.5 -12.994,-11.394 -12.9,-11.3 -12.9,-11.094 -12.994,-11 -12.994,-10.602 -7.478,-5.086 -7.384,-5.086 U1000.U28@-7.354,-5.056
  L6_Sig w0.091: v1(-12.421,-23.2) -12.396,-23.225 -12.396,-23.402 -11.603,-24.194 -2.585,-24.194 -2.109,-23.718 -2.109,-23.501 -2.213,-23.397 -2.213,-23.188 v1(-2.253,-23.148)
USB3_HOST1_SSTX_N: R2504.1 U1000.V27 | length 31.9
  L1_Sig w0.091: R2504.1@-8.3,-22.75 -8.234,-22.684 -8.107,-22.684 -8.053,-22.631 -8.053,-21.828 -8.281,-21.6 -9.1,-21.6 -9.394,-21.894 -9.394,-23.127 -10.515,-24.247 -13.453,-24.247 -14.26,-23.44 -14.26,-10.7 -8.086,-4.527 -8.086,-4.483 -7.926,-4.324 -7.541,-4.324 U1000.V27@-7.354,-4.137